# Allegro board KIT_PSE84_AI_PSOC_Edge_E84_AI_Board_Layout.brd (continued)
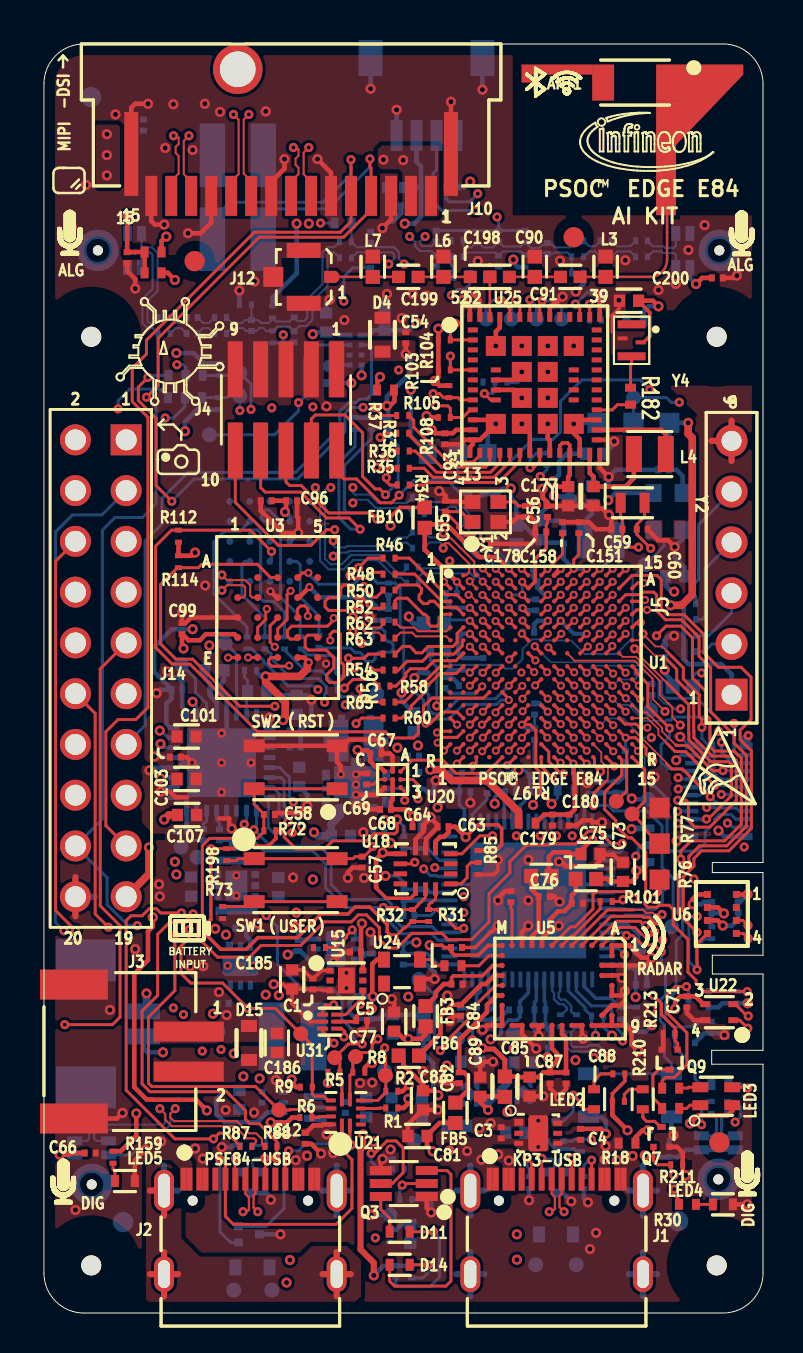
[diagram p0: board, top side]
## Routing (per net, layer and track width the routed paths; a pad name or vN(x,y) marks a point on that pad's centre or on a via; arc(x,y) is an arc through that point) (continued)
  BOTTOM w0.254: J17.SH4 31.88,23.84 v3(31.67,23.62)
  BOTTOM w0.305: J14.20 2.56,20.83 ; J14.20 1.58,19.85 ; J14.20 1.58,21.81 ; 34.42,42.63 J5.6 ; J5.6 33.41,43.64 ; J5.6 34.42,44.64
  BOTTOM w0.381: v2(35.26,28.89) 35.14,28.77 J17.SH1
  vias: v1(9.2,17.37) v1(9.63,21.9) v1(9.63,20.88) v1(10.47,17.37) v1(14.12,32.49) v1(14.6,18.86) v1(15.14,17.02) v1(15.14,16.26) v1(15.62,26.44) v3(1.57,5.16) v3(2.11,56.44) v3(3.3,15.16) v3(3.58,59.97) v3(4.57,18.21) v3(5.76,21.45) v3(5.8,20.84) v3(5.87,8.59) v3(6.07,58.29) v3(6.48,60.48) v3(7.44,58.19) v3(8.05,60.5) v3(8.07,36.4) v3(8.81,60.1) v3(9.09,10.16) v3(10.54,51.61) v3(10.52,10.03) v3(11.1,60.12) v3(11.61,11.66) v3(12.14,1.53) v3(12.31,2.65) v3(12.47,21.79) v3(13.26,54.51) v3(14.14,45.37) v3(14.48,8) v3(15.04,49.68) v3(15.82,11.51) v3(15.98,24.05) v3(16.03,21.77) v3(16.43,11.53) v3(17.35,8.18) v3(17.91,49.79) v3(17.86,11.86) v3(18.47,50.98) v3(18.96,12.11) v3(19.15,50.9) v3(20.19,15.88) v3(21.18,8.1) v3(21.89,7.67) v3(23.92,48.39) v3(24.25,22.68) v3(24.49,25.43) v3(25.22,48.39) v3(25.22,47.09) v3(25.22,45.79) v3(25.83,52.66) v3(26.52,48.39) v3(27.33,3.2) v3(28.68,7.65) v3(28.78,50.67) v3(29.1,52.67) v3(29.47,7.86) v3(30.57,26.82) v3(30.76,51.18) v3(31.62,51.49) v3(35.18,7.34) v4(8.89,27.53) v4(8.89,26.06) v4(10.37,27.53)
VBAT_IN:
  vias: v3(8.76,16.05) v3(9.14,14.91)
VCC_1V8: length 111.3
  TOP w0.229: FB1.1 28.2,21.72 28.33,21.59 C73.1 29.42,21.59 29.65,21.82 v3(29.65,22.13) ; v2(27.47,23.69) 27.43,23.69 26.88,23.14 C75.1 26.38,22.96 26.29,23.05 25.5,23.05 25.27,22.83 25.27,22.14 25.41,22 FB2.1 ; FB5.1 19.8,9.51 19.18,8.89 C81.1 19.18,8.37 v3(19.46,8.09) ; v3(6.12,53.86) 6.1,53.86 5.89,53.64 R124.1 ; FB6.1 17.75,12.86 18,12.61 18,12.41 18.98,11.43 C83.1 19.51,11.12 v3(19.74,10.9) ; FB7.1 23.02,10.82 22.99,10.84 C89.1 21.84,10.55 v3(22.23,10.16) ; v3(5.45,19.8) 5.45,19.33 5.21,19.09 5.21,17.65 4.52,16.97 4.52,11.3 5.14,10.68 5.42,10.68 5.44,10.67 6.76,10.67 6.76,10.67 7.62,10.67 v3(8.15,10.14)
  L03_SIG1 w0.229: v3(22.23,10.16) 21.89,9.83 21.74,9.83 21.16,9.25 17.5,9.25 16.59,10.16 11.35,10.16 10.19,8.99 9.09,8.99 8.15,9.93 v3(8.15,10.14)
  L03_SIG1 w0.381: v3(26.6,12.65) 26.6,13.33 26.49,13.44 26.49,17.87 27.47,18.84 v2(27.47,23.69)
  L04_SIG2 w0.229: v2(33.91,28.56) 32.53,27.18 31.58,27.18 30.86,26.46 30.86,24.82 29.16,23.12 29.16,22.63 v3(29.65,22.13) ; v3(5.45,19.8) 5.92,19.8 6.25,20.13 6.25,21.64 5.84,22.05 5.84,23.89 5.08,24.65 5.08,26.76 4.86,26.98 4.86,27.72 5.11,27.97 5.11,44.42 4.56,44.97 4.56,46.98 5.05,47.47 5.05,52.79 v3(6.12,53.86)
  L05_PWR w0.381: v2(27.47,23.69) 28.64,22.52 29.27,22.52 v3(29.65,22.13)
  BOTTOM w0.178: v2(33.91,28.56) 33.91,28.06 34.46,27.51 J17.3
  BOTTOM w0.229: v3(19.74,10.9) 19.48,11.15 19.48,12.5 19,12.98 FB4.1
  BOTTOM w0.305: v3(29.65,22.13) 29.85,22.13 R225.1
  BOTTOM w0.381: v3(22.23,10.16) 22.23,10.52 23.16,11.45
  vias: v3(23.51,13.23)
VCC_3V3: length 56
  TOP w0.229: FB3.1 19.11,13.95 18.88,13.72 v3(18.24,13.72) 18.01,13.72 17.63,14.1 C77.1
  L03_SIG1 w0.508: v3(18.24,13.72) 19.57,12.38 v3(20.17,12.38)
  L05_PWR w0.254: v3(20.17,12.38) 20.47,12.08 20.47,11.02 20.17,10.72 20.17,9.41 19.03,8.27 19.03,7.49 19.53,6.99 20.73,6.99 21.08,7.34 21.59,7.34 21.79,7.14 29.56,7.14 29.83,7.41 31.69,7.41 33.35,9.07 33.35,9.63 32.08,10.9 32.08,15.44 31.36,16.16 31.36,17.26 31.89,17.78 31.89,22.15 32.28,22.54 32.28,22.57 32.89,23.18 34.21,23.18 35.33,24.3 35.33,27.97 34.85,28.46 34.85,29.06 35.07,29.29 35.07,29.64 34.76,29.96 33.95,29.96 33.34,29.35 33.34,28.36 32.64,27.66 v3(31.65,27.66)
  BOTTOM w0.178: v3(31.65,27.66) 31.9,27.91 J17.2
VCC_IN: length 6.8
  BOTTOM w0.229: v3(12.2,17.93) 12.24,17.93 12.27,17.96 12.39,17.96 12.54,18.12 C8.2 12.82,18.12 13.28,17.66 U26.1 ; U29.5 11.19,10.04 10.71,9.56 10.71,9.56 10.69,9.55 9.04,9.55 8.62,9.97 8.62,10.71 9.04,11.13
  vias: v3(8.58,19.23) v3(9.11,18.93) v3(9.5,12.98) v3(9.98,11.84) v3(10.79,11.74) v3(11.1,15.93) v3(11.76,15.9) v3(21.79,9.25) v3(22.36,9.5)
VDD_1V8: length 129.8
  TOP w0.178: U18.12 18.6,21 18.35,20.75 17.14,20.75 16.66,21.23 16.66,21.26 ; R85.2 22.1,23.14 22.2,23.24 22.73,23.24 22.91,23.42 22.91,24.25 22.73,24.42 21.72,24.42 v3(21.11,23.81) ; C200.1 29.77,50.62 30.33,50.06 30.33,48.88 30.01,48.57 Y4.P ; U31.5 15.58,14.58 C5.2 15.63,14.83 15.81,15.01 16.19,15.01 v3(16.41,15.23)
  TOP w0.229: v3(6.99,33.25) 6.91,33.32 C99.1 6.94,33.97 7.24,33.66 7.8,33.66 8.11,33.97 9.53,33.97 U3.D1 ; R224.1 6.2,52.05 v3(6.55,51.69) ; C97.1 C96.1 12.12,40.14 v3(12.07,40.08) ; R76.1 30.81,21.04 v3(30.51,20.73) ; v3(16.82,46.84) 16.69,46.71 16.69,46.2 R196.2 ; U18.8 17.02,22.98 v3(16.96,23.04) 16.63,22.71 16.63,21.29 16.66,21.26 ; v3(32.47,20.45) 32.47,20.71 32.7,20.94 U6.8 ; v1(13.29,36.32) 12.76,35.8 U3.B4 ; v3(7.57,38.05) 7.41,37.89 R114.2 R112.2 ; C200.1 30.48,50.65 v3(30.76,50.37) ; v3(11.35,9.53) 12.17,9.53 12.42,9.78 R6.1 ; v3(21.11,23.81) 20.59,24.33 C63.2 20.25,24.05 20.02,23.83 19.83,23.83 19.6,23.6 U18.5 ; v3(33.98,19.39) 33.84,19.52 33.72,19.64 U6.6 ; v3(15.7,28.17) 15.72,28.15 16.18,28.15 C67.1 16.34,27.6 16.6,27.34 16.81,27.34 U20.C1 ; v3(0.79,7.93) 1.26,7.93 1.33,8 C66.1 ; U20.B2 U20.B3 17.45,25.67 17.37,25.59 C68.1 18.16,25.2 v3(18.49,24.86) 18.45,24.82 C64.1 ; U22.3 33.01,15.45 32.61,15.85 C71.1 31.85,15.85 31.6,15.6 v3(31.6,15.22) ; v3(12.4,11.69) 12.4,11.53 12.62,11.3 R9.1 ; v3(16.42,12.5) 16.29,12.5 16.06,12.27 R8.2 ; R2.1 17.95,11.09 18.27,11.42 v3(18.28,11.42) ; U3.E4 13.03,32.8 13.26,32.57 v1(13.26,32.55) ; R5.2 v3(14.21,11.52)
  TOP w0.381: v3(31.37,35.41) 31.92,35.41 32.45,35.94 32.45,43.79 32.25,43.99 v3(32.25,44.54) ; v1(13.26,32.55) 13.18,32.48 13.18,32.23 12.8,31.85 v3(11.1,31.85) 11.1,31.56 12.08,30.58 12.08,29.78 v3(11.96,29.67)
  L03_SIG1 w0.381: v3(16.42,12.5) 16.81,12.12 16.81,12.12 17.56,11.37 18.22,11.37 v3(18.28,11.42)
  L04_SIG2 w0.229: 29.31,7.14 29.59,7.14 30.08,7.62 v3(30.08,7.89)
  L04_SIG2 w0.381: v3(32.47,20.45) 32.47,20.45 31.37,20.45 31.09,20.73 v3(30.51,20.73) 30.51,20.19 30.19,19.86 29.92,19.86 29.64,19.59 29.64,17.58 31.21,16.01 31.21,15.6 v3(31.6,15.22) 31.6,14.25 26.88,9.54 26.88,7.47 27.22,7.14 29.31,7.14
  L04_SIG2 w0.635: v3(6.55,51.69) 6.55,50.62 9.17,48.01 12.48,48.01 v3(13.45,48.98)
  BOTTOM w0.229: C62.1 34.75,19.68 34.45,19.39 v3(33.98,19.39) ; R204.1 8.01,47.51 7.49,48.03 v3(6.63,48.03) ; v3(7.06,44.12) 7.06,44.59 7.67,45.2 R205.1 ; v3(11.1,31.85) 10.87,31.85 10.64,32.08 R123.2 ; v3(32.47,20.45) 32.48,20.45 32.9,20.45 33.03,20.57 C65.1 ; v3(31.37,35.41) 31.45,35.48 31.84,35.48 31.85,35.49 R192.2 R193.2 R194.2 R195.2 32.02,32.7 32.25,32.47 33.9,32.47 34.42,31.95 J5.1 ; Y3.4 28.61,41.03 v3(28.25,40.67) ; U8.2 0.8,7.91 v3(0.79,7.93) ; Y3.1 31.97,41.88 31.66,42.19 C61.1 31.29,43.81 31.31,43.82 R79.1 v3(32.25,44.54) ; R208.2 C98.1 16.76,35.23 16.17,35.82 13.79,35.82 v1(13.29,36.32) ; v3(30.08,7.89) 30.55,7.89 30.56,7.88 30.66,7.88 30.74,7.8 C70.1 31.75,7.8 32.12,8.17 U7.2 U7.4 ; U4.B4 12.3,39.84 v3(12.07,40.08) ; U40.8 14.79,48.93 14.65,49.08 C204.1 13.6,49.08 13.52,49 13.47,49 v3(13.45,48.98) ; v3(30.76,50.37) 30.26,50.37 30.02,50.12 R203.2
  vias: v3(6.55,22.58) v3(6.63,21.94)
VDD_3V3: length 57.9
  TOP w0.178: U25.22 25.82,43.4 25.96,43.54 26.21,43.54 26.32,43.43 U25.23
  TOP w0.229: v3(25.45,41.61) 25.71,41.35 C95.1 26.24,41.84 26.32,41.92 U25.23 ; R159.2 3.85,8.1 4.62,8.88 v3(4.62,9.98)
  TOP w0.381: C107.1 6.25,24.92 v3(6.02,24.69) ; v3(5.26,23.29) 5.26,21.97 J14.19 ; R197.2 23.76,25.08 22.19,26.65 20.41,26.65 19.87,27.19 v3(19.33,27.19)
  L03_SIG1 w0.305: 4.12,19.85 J14.19 ; J14.19 5.1,20.83 ; J14.19 4.12,21.81
  L05_PWR w0.381: v3(21.34,56.61) 19.58,56.61 18.06,55.09 v3(18.06,54.51)
  L05_PWR w0.508: v3(17.69,28.29) 16.89,27.48 12.09,27.48 8.28,31.29 v3(8.28,33.4)
  BOTTOM w0.229: R217.2 14.76,46.53 14.76,46.53 v3(15.39,46.53) ; R207.2 21.06,56.34 v3(21.34,56.61) ; v3(18.36,46.2) 18.36,43.88 19.21,43.03 R188.2 ; v3(18.06,54.51) 18.53,54.51 18.87,54.85 R206.2 ; v3(18.64,49.56) 18.27,49.18 C203.2 16.52,49.18 16.28,48.93 U40.1 ; R206.2 18.42,56.34 18.39,56.31 R153.2 ; R206.2 18.87,56.73 18.87,57.38 18.65,57.6 J7.2 ; U28.28 8.64,30.55 8.31,30.88 C110.1 8.31,31.49 8.08,31.72 8.08,32.13 C109.1 8.05,32.18 8.08,32.21 8.08,32.73 8.28,32.93 v3(8.28,33.4) ; C94.1 26.18,43 25.78,42.6 25.78,41.94 v3(25.45,41.61)
  vias: v3(18.72,28.4) v3(23.19,10.06)
VDD_5V: length 61.3
  TOP w0.178: R210.2 29.08,11.6 28.45,10.97 R209.2
  TOP w0.229: R209.2 28.45,9.9 v3(29.21,9.14) ; v3(32.34,9.49) 32.73,9.88 34.21,9.88 34.46,10.12 LED3.4 ; U21.12 13.97,9.43 13.92,9.39 13.48,9.39 13.11,9.01 C12.1 ; U15.6 15.96,17.5 15.87,17.59 C6.2 15.87,19.45 v3(15.91,19.49)
  TOP w0.305: v3(15.98,8.94) 15.98,8.33 15.97,8.33 15.97,8.3 15.85,8.17 15.85,3.18 16.51,2.52 v3(16.51,1.88)
  L05_PWR w0.254: v3(32.34,9.49) 32.34,9.98 30.91,11.41 30.91,17.45 31.43,17.97 31.43,22.84 31.71,23.12 32.19,23.12 32.7,23.63 34.02,23.63 34.87,24.48 34.87,27.78 34.39,28.27 34.39,29.35 v2(34.54,29.5)
  L05_PWR w0.381: 28.35,9.48 28.83,9.48 29.13,9.17 29.18,9.17 v3(29.21,9.14) 29.21,8.89 29.59,8.51 30.44,8.51 31.32,9.39 31.33,9.39 31.43,9.49 v3(32.34,9.49)
  BOTTOM w0.178: U28.21 6.46,27.81 5.98,27.81 ; v2(34.54,29.5) 34.54,28.09 34.72,27.91 J17.1
  BOTTOM w0.229: v3(16.51,1.88) 16.99,2.36 R174.2 R190.2 ; v3(7.44,34.21) 6.4,34.21 5.51,33.33 5.51,32.08 6.38,31.22 C102.1 ; C102.1 6.38,30.74 6.12,30.48 6.12,29.48 6.32,29.28 U28.24 ; C102.1 5.82,31.19 v3(5.64,31.01) ; 5.98,27.81 5.97,27.83 5.55,27.83 v3(5.54,27.84)
  BOTTOM w0.381: v3(13.51,24.05) 13.52,24.05 13.69,23.88 C30.1 14.38,24.46 14.82,24.91 U13.9
  vias: v3(3.15,58.98) v3(3.15,57.94) v3(3.15,56.92) v3(12.63,20.03) v3(13.46,21.69) v3(14.15,8.94) v3(16.5,8.58) v3(17.04,24.67) v3(17.35,23.52) v3(20.29,8.13)
VDDA_RADAR: length 3.8
  TOP w0.229: FB2.2 24.39,21.21 C76.1 24.77,19.19 24.43,18.85 U5.J1
VDDD_RADAR: length 4.2
  TOP w0.229: FB1.2 26.62,21.09 26.42,20.89 C74.1 26.42,20.47 26.05,20.11 25.74,20.11 25.3,19.66 25.3,19.11 24.93,18.74 U5.H1
VDDIO_RADIO: length 6.3
  TOP w0.229: v3(19.74,49.25) R104.1 R103.1 19.74,46.82 v3(19.56,46.64) 19.79,46.4 R105.1 ; R108.1 19.23,44.81 v3(19.15,44.88) ; v3(19.41,44.2) 19.59,44.01 C93.1 20.46,44.01 20.63,44.19 U25.11
VDDLF_RADAR: length 5
  TOP w0.178: U5.M3 22.47,17.39 21.95,16.87 20.5,16.87 20.4,16.77 C78.1
  TOP w0.229: FB3.2 19.12,15.36 19.62,15.86 19.62,16.06 20.02,16.46 C78.1
VDDPLL_RADAR: length 6.4
  TOP w0.229: U5.M4 22.54,16.89 22.11,16.46 21.91,16.46 20.87,15.42 C84.1 20.41,15.42 19.85,14.87 19.85,13.97 18.77,12.89 FB6.2
VDDRF_RADAR: length 22.3
  TOP w0.178: v3(19.31,18.41) 19.92,18.41 20.03,18.29 C86.1 20.38,18.09 20.55,17.91 21.75,17.91 22.23,18.39 U5.M1
  TOP w0.229: C87.1 C88.1 26.13,13.75 25.93,13.96 U5.F9 ; C87.1 24.99,12.03 24.76,11.8 C85.1 23.68,11.8 23.65,11.84 FB7.2 ; C87.1 25.33,12.25 25.68,12.6 25.68,12.98 25.43,13.24 U5.G9
  TOP w0.254: v3(21.93,13.26) 22.11,13.26 22.15,13.21 22.53,13.21 23.07,12.66 FB7.2
  L03_SIG1 w0.229: v3(21.93,13.26) 21.59,12.92 20.63,12.92 18.98,14.58 18.98,18.07 v3(19.31,18.41)
VDDVCO_RADAR: length 7
  TOP w0.229: FB5.2 20.6,10.53 21.22,11.15 21.22,11.84 21.02,12.04 C82.1 20.79,13.67 22.17,15.06 22.17,15.41 22.65,15.89 U5.M6
A_IO_P13_0: length 18.5
  TOP w0.15: U1.G8 24.57,33.34 v1(24.57,33.36)
  L03_SIG1 w0.157: v2(31.73,24.5) 32.78,25.55 32.78,28.1 v2(33.78,29.1)
  BOTTOM w0.089: v1(24.57,33.36) 25.37,32.56 30.14,32.56 30.94,31.77 30.94,30.96 31.14,30.76 31.17,30.76
  BOTTOM w0.15: J17.20 32.1,24.31 31.91,24.5 v2(31.73,24.5) ; v2(33.78,29.1) 33.78,29.51 33.75,29.54 33.75,29.7 32.69,30.76 31.17,30.76
A_IO_P13_1: length 17.6
  TOP w0.089: v2(29.56,33.24) 29.83,32.97 29.83,32.88 31.17,31.54
  TOP w0.15: 31.17,31.54 32.27,30.43 32.27,29.02 32.28,29.01 32.28,28.68 33.38,27.59 34.26,27.59 34.41,27.44 34.41,25.87 33.25,24.72 v2(33.16,24.72) ; U1.G9 v1(25.25,33.3)
  L04_SIG2 w0.089: v2(29.56,33.24) 29.19,33.24 28.96,33.01 27.09,33.01 26.44,33.66 25.61,33.66 v1(25.25,33.3)
  BOTTOM w0.15: v2(33.16,24.72) 33.16,24.7 33.12,24.67 32.91,24.67 32.87,24.71 J17.18
A_IO_P13_2: length 15
  TOP w0.089: v2(31.09,30.1) 30.48,30.71 30.48,31.73 29.57,32.64 26.56,32.64 U1.G10
  L03_SIG1 w0.089: 31.17,30.55 31.09,30.47 v2(31.09,30.1)
  L03_SIG1 w0.157: 31.17,30.55 31.27,30.66 32.15,30.66 32.31,30.5 32.31,29.32 32.52,29.12 32.52,26.61 32.31,26.41 32.31,25.71 32,25.4 32,25.39 v2(31.71,25.1)
  BOTTOM w0.15: J17.16 31.72,25.11 v2(31.71,25.1)
A_IO_P13_3: length 16.5
  TOP w0.089: U1.F15 29.81,33.66 30.58,32.89 30.99,32.89 31.16,32.72 31.17,32.72
  TOP w0.15: v2(31.72,25.66) 32.13,25.66 32.26,25.53 32.26,24.64 32.59,24.31 33.32,24.31 34.66,25.64 34.66,27.65 34.45,27.86 33.45,27.86 32.53,28.78 32.53,29.11 32.53,29.12 32.53,30.54 32.49,30.57 32.49,30.86 31.67,31.67 31.67,32.21 31.17,32.72
  BOTTOM w0.15: J17.14 31.89,25.51 31.75,25.66 31.73,25.66 v2(31.72,25.66)
A_IO_P13_4: length 14.1
  TOP w0.089: 31.17,33.12 30.94,33.35 30.61,33.35 v2(29.98,33.98)
  TOP w0.15: v2(32.93,29.3) 32.93,29.71 32.8,29.84 32.8,30.93 32,31.73 32,32.28 31.17,33.12 ; v1(27.22,33.34) 27.18,33.34 27.13,33.3 U1.G11
  L03_SIG1 w0.089: v2(29.98,33.98) 29.61,33.98 28.71,33.08 28.63,33.08 28.52,32.97 27.6,32.97 v1(27.22,33.34)
  BOTTOM w0.15: v2(32.93,29.3) 32.93,28.74 33.26,28.41 33.26,28.28 33.29,28.25 33.29,27.9 33.29,27.9 33.29,27.06 33.1,26.87 33.1,26.16 32.86,25.91 J17.12
A_IO_P13_5: length 9.5
  TOP w0.089: U1.G14 28.97,32.83 29.63,32.83 30.84,31.62 30.84,30.91 31.45,30.3 31.45,29.82 31.59,29.68 v2(31.85,29.41)
  L03_SIG1 w0.157: v2(31.75,26.22) 31.75,26.22 32.26,26.72 32.26,29.01 v2(31.85,29.41)
  BOTTOM w0.15: J17.10 31.85,26.31 31.75,26.22 v2(31.75,26.22)
A_IO_P13_6: length 11.6
  TOP w0.15: U1.H11 v1(27.17,32.04)
  L03_SIG1 w0.089: 31.17,28.9 30.96,29.11 30.96,29.41 31.17,29.62 31.17,29.62
  L03_SIG1 w0.157: v2(31.87,30.23) 31.58,29.94 31.54,29.94 31.22,29.62 31.17,29.62 ; v2(31.74,26.79) 31.74,26.79 31.72,26.82 31.72,27.04 31.24,27.52 31.24,28.83 31.17,28.9
  BOTTOM w0.089: 31.17,30.51 31.04,30.51 30.76,30.79 30.76,31.7 30.07,32.39 27.52,32.39 v1(27.17,32.04)
  BOTTOM w0.15: v2(31.87,30.23) 31.54,30.23 31.26,30.51 31.17,30.51 ; v2(31.74,26.79) 31.76,26.79 31.83,26.71 J17.8
A_IO_P13_7: length 7.5
  TOP w0.15: v2(31.32,29.26) 30.23,30.35 30.23,31.47 29.65,32.05 29.65,32.16 U1.H15
  BOTTOM w0.15: J17.6 32,27.11 31.89,27.22 31.22,27.22 30.89,27.56 30.89,28.42 31.32,28.85 v2(31.32,29.26)
A_IO_P15_0: length 7.2
  TOP w0.089: 31.62,28.42 30.94,29.11 30.94,29.28 30.17,30.05 29.8,30.05 U1.L15
  TOP w0.15: v2(33.98,27.14) 33.47,27.14 32.21,28.4 31.67,28.4 31.65,28.42 31.62,28.42
  BOTTOM w0.15: J17.5 34.41,27.11 34.39,27.14 v2(33.98,27.14)
A_IO_P15_1: length 10.3
  TOP w0.089: v1(28.47,30.74) U1.K13
  BOTTOM w0.089: v1(28.47,30.74) 28.78,30.42 29.26,30.42 30.06,29.62 31.11,29.62 31.15,29.66 31.17,29.66
  BOTTOM w0.15: 31.17,29.66 31.38,29.66 31.5,29.82 32.99,29.82 33.34,29.48 33.34,28.69 33.51,28.52 33.51,28.38 33.54,28.35 33.54,28.01 33.54,28 33.54,27 33.82,26.73 33.89,26.73 33.91,26.71 J17.7
A_IO_P15_2: length 7.4
  TOP w0.089: 31.17,28.52 30.76,28.93 30.76,29.21 30.21,29.76 U1.M15
  TOP w0.15: 31.17,28.52 31.59,28.09 32.12,28.09 33.29,26.92 33.29,26.69 v2(33.57,26.4)
  BOTTOM w0.15: J17.9 34.37,26.31 34.28,26.4 v2(33.57,26.4)
A_IO_P15_3: length 19.4
  TOP w0.15: v1(25.86,30.75) 25.85,30.75 U1.K9
  L03_SIG1 w0.089: v1(25.86,30.75) 25.99,30.75 26.34,30.4 26.38,30.4 26.38,30.4 27.02,30.4 27.03,30.39 27.35,30.39 27.49,30.24 27.49,29.94 27.72,29.71 27.97,29.71 28.17,29.51 28.17,28.63 28.37,28.43 28.85,28.43 29.18,28.09 29.18,27.87 30.21,26.84 30.21,26.67 30.45,26.43
  L03_SIG1 w0.157: 30.45,26.43 30.79,26.09 30.79,23.98 31,23.77 31,23 31.64,22.35 32.14,22.35 33.36,23.57 34.09,23.57 34.65,24.13 34.65,25.21 v2(33.9,25.95)
  BOTTOM w0.15: J17.11 34.35,25.91 34.31,25.95 v2(33.9,25.95)
A_IO_P15_4: length 7.2
  TOP w0.089: U1.N15 29.58,29.11 31.17,27.52 31.17,27.48
  TOP w0.15: 31.17,27.48 31.43,27.22 31.96,27.22 v2(33.35,25.83)
  BOTTOM w0.15: J17.13 33.72,25.51 33.69,25.54 33.64,25.54 v2(33.35,25.83)
A_IO_P15_5: length 15.5
  TOP w0.15: v1(26.52,30.74) 26.52,30.74 U1.K10
  L03_SIG1 w0.089: 31.17,27.18 31.02,27.33 31.02,28.22 30.8,28.43 30.17,28.43 29.88,28.72 29.88,29.36 29.51,29.72 29.03,29.72 28.79,29.95 28.79,30.22 28.6,30.41 28.33,30.41 28.14,30.6 28.14,30.84 28.14,30.84 28.14,30.87 27.95,31.06 26.85,31.06 v1(26.52,30.74)
  L03_SIG1 w0.157: 31.17,27.18 31.3,27.04 31.3,24.32 31.61,24.02 31.89,24.02 v2(33.17,25.3)
  BOTTOM w0.15: v2(33.17,25.3) 33.58,25.3 33.62,25.26 34.66,25.26 34.81,25.11 J17.15
A_IO_P15_6: length 11.3
  TOP w0.089: v1(29.73,28.11) 29.72,28.12 29.72,28.19 U1.P15
  BOTTOM w0.089: 30.13,26.59 30.07,26.65 30.07,27.78 v1(29.73,28.11)
  BOTTOM w0.15: 30.13,26.59 30.38,26.34 30.58,26.34 31.19,25.73 31.19,23.26 31.34,23.12 32.69,23.12 33.1,23.52 33.1,24.08 33.57,24.55 33.57,24.7 33.81,24.94 34.4,24.94 34.63,24.71 J17.17
A_IO_P15_7: length 15.2
  TOP w0.15: v1(27.17,30.72) 27.17,30.74 U1.K11
  L03_SIG1 w0.089: v1(27.17,30.72) 27.32,30.72 27.48,30.56 27.5,30.56 27.65,30.41 27.95,30.41 28.14,30.22 28.14,29.9 28.28,29.76 28.63,29.76 29.46,28.93 29.46,28.31 29.36,28.21 29.36,27.94 30.09,27.21 30.71,27.21 31.05,26.87 31.05,26.59
  L03_SIG1 w0.157: v2(34.21,24.51) 33.92,24.8 33.75,24.8 32.19,23.24 31.51,23.24 31.29,23.46 31.29,23.91 31.05,24.15 31.05,26.59
  BOTTOM w0.15: v2(34.21,24.51) 34.27,24.45 34.32,24.45 34.47,24.31 J17.19
ALT_SER_INT_CONFIG_1: length 5.4
  TOP w0.15: R77.1 30.79,23.51 30.77,23.51 30.07,24.21 30.07,24.34 TP66.1 30.07,25.6 30.07,27.18 U1.R15
ALT_SER_INT_CONFIG_2: length 26.1
  TOP w0.15: v1(27.83,29.39) 27.83,29.42 U1.M12
  L03_SIG1 w0.089: 31.17,30.99 30.67,30.5 30.67,29.06 v2(30.41,28.8)
  L03_SIG1 w0.157: v2(31.8,45.57) 33.44,43.93 33.44,33.13 31.39,31.09 31.27,31.09 31.17,30.99
  BOTTOM w0.089: v1(27.83,29.39) 28.19,29.75 29.01,29.75 29.96,28.8 v2(30.41,28.8)
  BOTTOM w0.15: v2(31.8,45.57) 31.4,45.57 31.17,45.8 TP65.1 R80.1
AMIC1_CTB_INN: length 42.6
  TOP w0.102: v1(28.49,31.99) 28.49,32 28.49,32.02 U1.H13
  L03_SIG1 w0.089: 32.19,36.57 32.19,36.55 32.14,36.51 32.14,36.2 32.32,36.02 32.32,35.72 32.14,35.54 32.14,35.23 32.32,35.05 32.32,34.75 32.14,34.57 32.14,33.52 31.61,32.98 30.77,32.98 30.15,32.36 28.93,32.36 28.82,32.25 28.71,32.25 28.52,32.05 28.52,32.02 v1(28.49,31.99) ; 30.28,39.45 31.22,38.5 31.22,37.94 31.24,37.94
  L03_SIG1 w0.102: 31.24,37.94 31.46,37.73 31.71,37.73 31.93,37.51 31.93,37.26 32.19,36.99 32.19,36.57 ; 30.28,39.45 30.13,39.59 30.13,41.43 30.32,41.61 30.32,41.92 30.13,42.1 30.13,42.4 30.32,42.58 30.32,42.89 30.13,43.07 30.13,43.37 29.01,44.5 29.01,44.8 29.19,44.98 29.19,45.29 29.01,45.47 29.01,45.77 29.19,45.95 29.19,46.26 29.01,46.44 29.01,46.74 29.19,46.92 29.19,47.23 29.01,47.41 29.01,48.28 29.19,48.46 29.19,48.77 29.01,48.95 29.01,50 29.42,50.41 29.42,50.95 28.54,51.82 28.54,52.08 28.33,52.29 28.07,52.29 27.66,52.71 27.66,52.96 27.44,53.18 27.19,53.18 26.97,53.39 25.81,53.39 25.63,53.57 25.32,53.57 25.14,53.39 24.13,53.39 23.95,53.57 23.65,53.57 23.47,53.39 17.81,53.39 17.5,53.08 17.5,52.59 17.4,52.49 v2(17.26,52.49)
  BOTTOM w0.102: v2(17.26,52.49) 17.53,52.75 17.53,52.97 17.42,53.07 16.56,53.07 C121.2 16.12,53.07 15.67,53.07 R132.2
AMIC1_CTB_INP: length 42.6
  TOP w0.102: v1(26.54,32.06) 26.5,32.1 26.46,32.1 U1.H10
  L03_SIG1 w0.089: v1(26.54,32.06) 26.92,32.44 28.74,32.44 28.85,32.55 30.07,32.55 30.69,33.17 31.53,33.17 31.95,33.6 31.95,36.51 31.91,36.55 31.91,36.57 ; 30.97,37.82 30.95,37.83 30.95,38.39 30.17,39.17 30.16,39.17 30.1,39.24 30.09,39.24 30.08,39.25
  L03_SIG1 w0.102: v2(18.03,52.49) 17.78,52.73 17.78,52.97 17.93,53.11 26.86,53.11 29.13,50.83 29.13,50.53 28.73,50.12 28.73,44.38 29.85,43.26 29.85,39.47 30.08,39.25 ; 30.97,37.82 31.91,36.88 31.91,36.57
  BOTTOM w0.102: R227.2 R128.2 15.67,53.33 16.12,53.33 C116.1 16.56,53.33 17.53,53.33 17.78,53.08 17.78,52.74 v2(18.03,52.49)
AMIC1_CTB_OUT: length 47
  TOP w0.15: U1.H9 v1(25.87,32.04)
  L03_SIG1 w0.089: v1(25.87,32.04) 26.45,32.61 28.66,32.61 28.78,32.73 29.84,32.73 30.54,33.43 30.85,33.43 31.17,33.74 31.17,34.64 30.91,34.9 30.91,37.39 30.73,37.57 30.73,38.36 30.33,38.76 30.07,38.76 29.54,39.29
  L03_SIG1 w0.157: v2(11.98,48.95) 11.98,49.36 11.99,49.37 11.99,49.48 12.73,50.22 14.6,50.22 v2(15.01,50.62) 15.76,51.37 21.29,51.37 21.41,51.49 27.58,51.49 28.35,50.72 28.35,44.36 29.27,43.44 29.27,39.57 29.54,39.29
  BOTTOM w0.15: 11.98,48.69 11.83,48.54 R133.2 ; 11.98,48.69 12.1,48.57 C122.1 ; 11.98,48.69 v2(11.98,48.95) ; C121.1 15.47,52.3 15.01,51.84 v2(15.01,50.62)
AMIC1_CTB_REF: length 45.8
  TOP w0.15: v1(26.55,31.4) 26.53,31.41 26.49,31.41 U1.J10
  L04_SIG2 w0.089: v1(26.55,31.4) 26.86,31.71 28.02,31.71 28.17,31.86 28.17,32.13 28.4,32.36 30.4,32.36 31.17,33.12 31.17,34.11 31.35,34.29 ; 29.77,39.29 30.33,38.74 30.56,38.74 30.96,38.33 30.96,38.01
  L04_SIG2 w0.157: 29.77,39.29 29.08,39.98 29.08,49.79 27.36,51.51 22.91,51.51 21.67,50.27 19.92,50.27 19.76,50.43 19.76,54.05 18.11,55.7 15.01,55.7 v2(13.84,54.53) ; 30.96,38.01 30.96,37.97 30.99,37.95 30.99,35.16 31.35,34.8 31.35,34.29
  BOTTOM w0.15: R227.1 v2(13.84,54.53)
AMIC2_CTB_INN: length 44
  TOP w0.102: v1(29.78,31.39) 29.77,31.39 U1.J15
  L03_SIG1 w0.089: 32.67,38.94 32.67,38.93 32.71,38.88 32.71,38.26 32.53,38.08 32.53,37.77 32.71,37.59 32.71,36.94 32.53,36.75 32.53,36.45 32.71,36.27 32.71,35.67 32.53,35.48 32.53,35.18 32.71,35 32.71,34.64 32.53,34.46 32.53,34.15 32.71,33.97 32.71,33.67 31.77,32.73 30.8,32.73 30.49,32.42 30.49,31.4 30.4,31.31 30.27,31.31 30.2,31.39 v1(29.78,31.39)
  L03_SIG1 w0.102: 32.67,38.94 32.67,39.49 32.49,39.67 32.49,39.98 32.67,40.16 32.67,40.46 32.49,40.64 32.49,40.95 32.67,41.13 32.67,41.52 32.49,41.7 32.49,42.01 32.67,42.19 32.67,42.49 32.44,42.72 32.18,42.72 31.96,42.94 31.96,43.2 31.75,43.41 31.49,43.41 31.28,43.63 31.28,43.88 31.06,44.1 30.81,44.1 30.59,44.31 30.59,44.57 30.38,44.78 30.12,44.78 29.91,45 29.91,45.25 29.69,45.47 29.69,46.76 29.51,46.94 29.51,47.25 29.69,47.43 29.69,47.73 29.51,47.91 29.51,48.22 29.69,48.4 29.69,49.1 29.51,49.28 29.51,49.58 29.74,49.82 29.74,51.15 29.56,51.33 29.56,51.64 29.74,51.82 29.74,53.09 29.5,53.33 29.24,53.33 29.03,53.55 29.03,53.81 28.65,54.18 28.32,54.18 28.14,54 27.83,54 27.65,54.18 27.35,54.18 27.17,54 26.86,54 26.68,54.18 26.38,54.18 26.2,54 25.89,54 25.71,54.18 25.41,54.18 25.23,54 24.92,54 24.74,54.18 24.44,54.18 24.26,54 23.95,54 23.77,54.18 23.37,54.18 23.19,54 22.89,54 22.71,54.18 22.4,54.18 22.22,54 21.92,54 21.73,54.18 21.39,54.18 21.21,54 20.91,54 20.73,54.18 20.42,54.18 19.99,54.61 18.93,54.61 18.83,54.51 18.83,54.11 v2(19.08,53.86)
  BOTTOM w0.102: v2(19.08,53.86) 18.84,53.63 18.84,53.48 18.94,53.38 19.41,53.38 C129.2 19.87,53.37 20.12,53.37 20.38,53.63 R141.2
AMIC2_CTB_INP: length 48.4
  TOP w0.102: v1(25.88,31.39) 25.87,31.39 U1.J9
  L03_SIG1 w0.089: 32.95,38.94 32.95,38.92 32.9,38.87 32.9,33.59 31.85,32.54 30.88,32.54 30.68,32.34 30.68,31.32 30.48,31.12 30.27,31.12 30.2,31.05 29.61,31.05 29.45,30.89 29.45,30.63 29.26,30.44 28.99,30.44 28.8,30.63 28.8,30.96 28.71,31.06 28.33,31.06 28.14,31.25 28.14,31.52 27.95,31.71 27.03,31.71 27.03,31.72 26.21,31.72 v1(25.88,31.39)
  L03_SIG1 w0.102: v2(18.31,53.86) 18.55,54.11 18.55,54.62 18.82,54.89 20.11,54.89 20.54,54.46 28.77,54.46 30.03,53.2 30.03,49.7 29.97,49.65 29.97,45.59 32.95,42.61 32.95,38.94
  BOTTOM w0.102: R228.2 20.45,52.37 20.38,52.45 R137.2 20.12,53.11 19.84,53.11 C124.1 19.41,53.13 18.84,53.13 18.59,53.38 18.59,53.59 v2(18.31,53.86)
AMIC2_CTB_OUT: length 39.8
  TOP w0.15: v1(29.85,30.71) 29.79,30.71 U1.K15
  L03_SIG1 w0.089: v1(29.85,30.71) 30.32,30.71 30.86,31.25 30.86,31.38 31.06,31.58 31.17,31.58
  L03_SIG1 w0.157: 31.17,31.58 31.52,31.58 33.18,33.24 33.18,42.9 31.19,44.88 31.19,52.58 28.93,54.84 v2(22.68,54.84)
  BOTTOM w0.15: C130.1 22.76,54.71 22.68,54.79 v2(22.68,54.84) ; C130.1 23.7,54.15 23.73,54.18 R142.2 ; C130.1 C129.1
